# KiCad board jetson-nano-baseboard.kicad_pcb (continued)
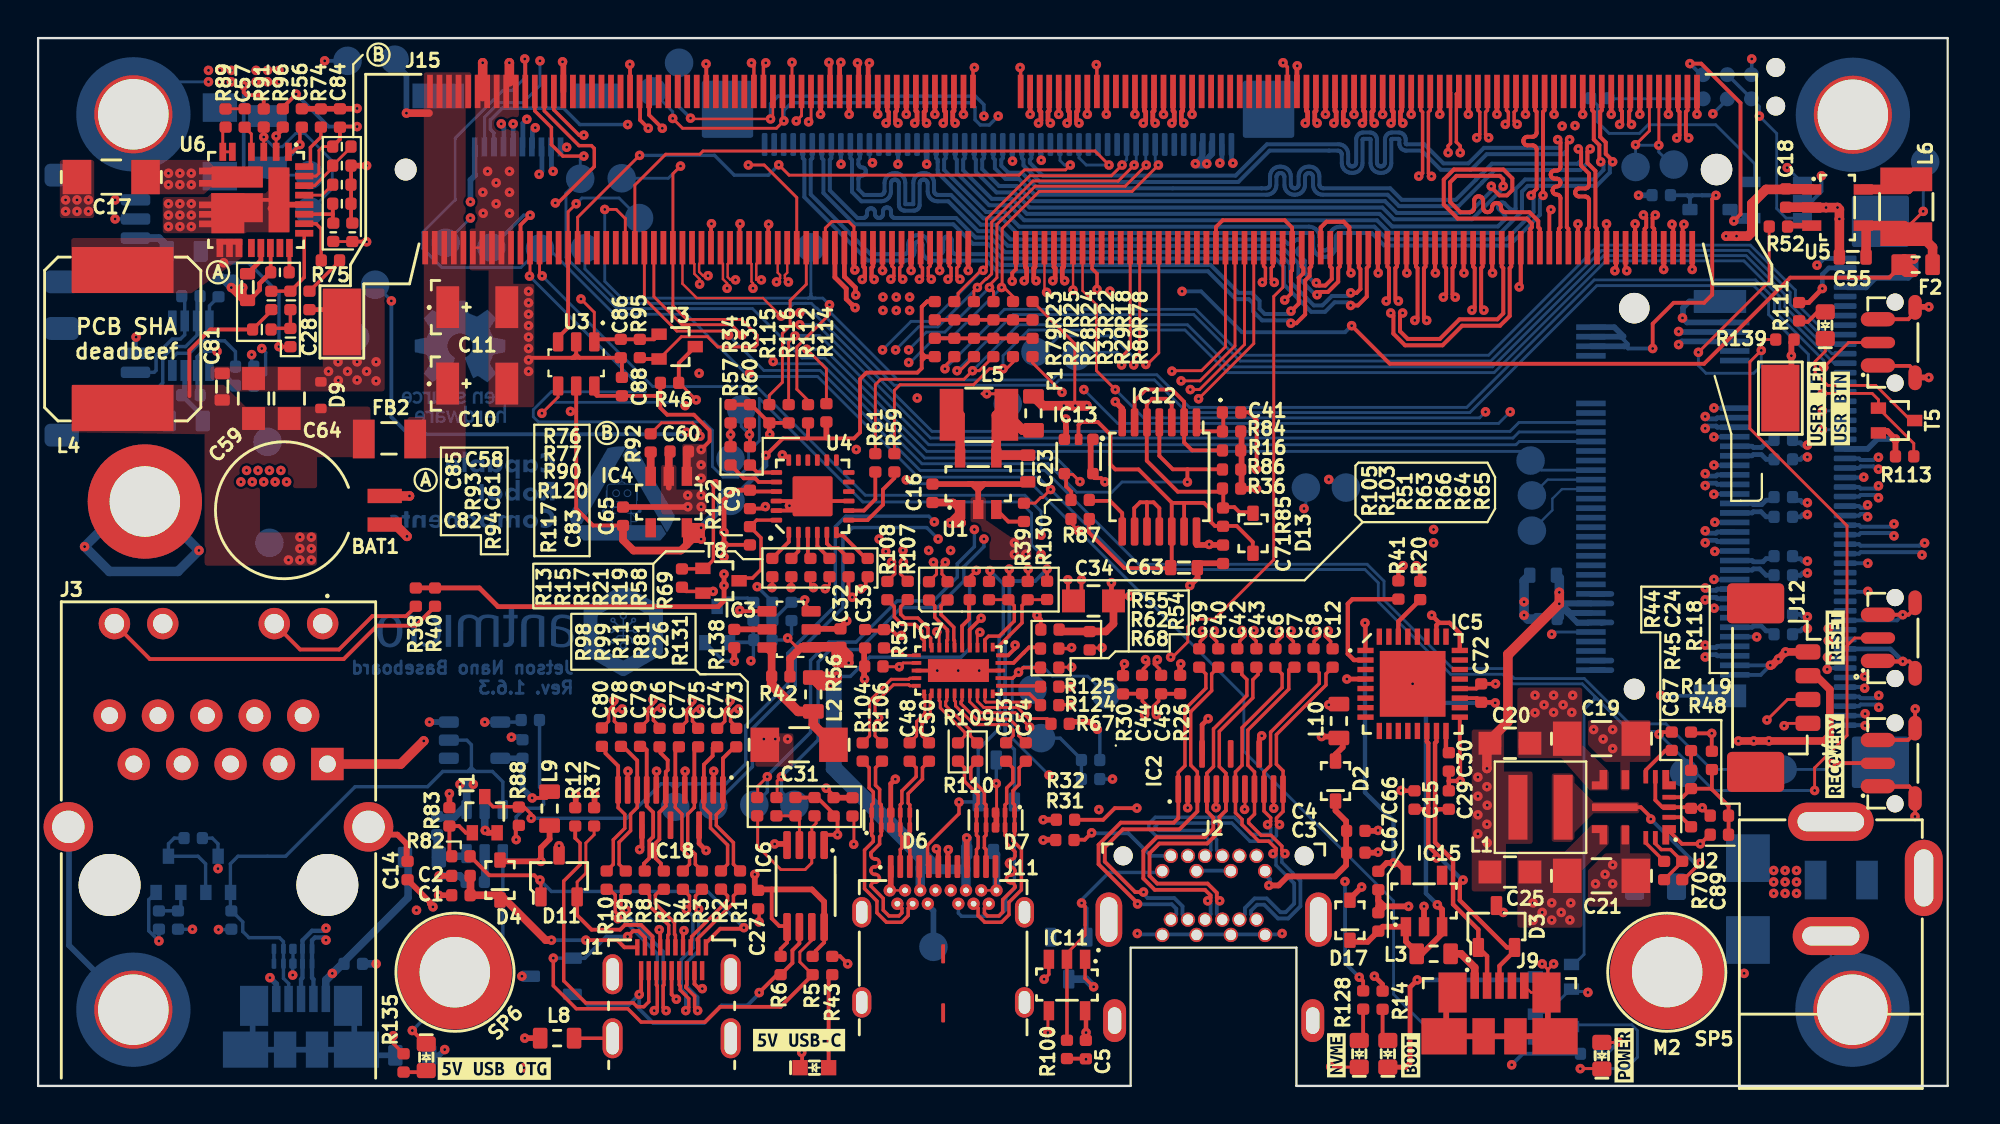
[diagram p0: board, top side]
## Placement (name value [footprint] x y rotation side) (continued)
T6  BSS138PW  [SC70-3]  6.84 11.11 90 bottom
T7  BSS138PW  [SC70-3]  35.64 24.22 90 bottom  (not fitted)
T8  BSS138PW  [SC70-3]  35.84 26.52 0 top
T9  BSS138PW  [SC70-3]  9.45 11.11 90 bottom
TP1  TP_1.5mm_SMD  [TP_SMD_1.5mm]  36.34 32.91 0 bottom
TP2  TP_1.5mm_SMD  [TP_SMD_1.5mm]  78.33 32.82 0 bottom
TP3  TP_1.5mm_SMD  [TP_SMD_1.5mm]  85.85 48.36 0 bottom
TP4  TP_1.5mm_SMD  [TP_SMD_1.5mm]  83.84 48.23 0 bottom
TP5  TP_1.5mm_SMD  [TP_SMD_1.5mm]  50.89 35.81 0 bottom
TP6  TP_1.5mm_SMD  [TP_SMD_1.5mm]  54.51 38.3 0 bottom
TP7  TP_1.5mm_SMD  [TP_SMD_1.5mm]  78.4 30.99 0 bottom
TP8  TP_1.5mm_SMD  [TP_SMD_1.5mm]  99.04 48.51 0 bottom
TP9  TP_1.5mm_SMD  [TP_SMD_1.5mm]  52.35 38.53 0 bottom
TP10  TP_1.5mm_SMD  [TP_SMD_1.5mm]  36.9 35.51 0 bottom
TP11  TP_1.5mm_SMD  [TP_SMD_1.5mm]  14.24 47.81 0 bottom
TP12  TP_1.5mm_SMD  [TP_SMD_1.5mm]  16.64 39.31 0 bottom
TP13  TP_1.5mm_SMD  [TP_SMD_1.5mm]  31.54 45.56 0 bottom
TP14  TP_1.5mm_SMD  [TP_SMD_1.5mm]  30.63 47.64 0 bottom
TP15  TP_1.5mm_SMD  [TP_SMD_1.5mm]  14.24 45.91 0 bottom
TP16  TP_1.5mm_SMD  [TP_SMD_1.5mm]  12.04 33.81 0 bottom
TP17  TP_1.5mm_SMD  [TP_SMD_1.5mm]  16.24 53.81 0 bottom
TP18  TP_1.5mm_SMD  [TP_SMD_1.5mm]  56.04 20.55 0 bottom
TP19  TP_1.5mm_SMD  [TP_SMD_1.5mm]  46.99 7.3 0 bottom
TP20  TP_1.5mm_SMD  [TP_SMD_1.5mm]  78.4 29.14 0 bottom
TP21  TP_1.5mm_SMD  [TP_SMD_1.5mm]  52.64 18.26 0 bottom
TP23  TP_1.5mm_SMD  [TP_SMD_1.5mm]  32.24 52.21 0 bottom
TP24  TP_1.5mm_SMD  [TP_SMD_1.5mm]  33.64 53.71 0 bottom
TP25  TP_1.5mm_SMD  [TP_SMD_1.5mm]  33.44 14.66 0 bottom
TP26  TP_1.5mm_SMD  [TP_SMD_1.5mm]  35.44 14.71 0 bottom
TP27  TP_1.5mm_SMD  [TP_SMD_1.5mm]  28.45 47.62 0 bottom
TP28  TP_1.5mm_SMD  [TP_SMD_1.5mm]  21.39 44.26 0 bottom
TP29  TP_1.5mm_SMD  [TP_SMD_1.5mm]  26.34 43.96 0 bottom
TP30  -  [Tag-Connect_TC2030-IDC-NL_2x3_P1.27mm]  87.39 53.08 0 bottom
TP31  TP_1.5mm_SMD  [TP_SMD_1.5mm]  23.79 44.01 0 bottom
TP32  TP_1.5mm_SMD  [TP_SMD_1.5mm]  52.19 20.81 0 bottom
TP33  TP_1.5mm_SMD  [TP_SMD_1.5mm]  37.59 14.76 0 bottom
TP34  TP_1.5mm_SMD  [TP_SMD_1.5mm]  39.69 14.76 0 bottom
TP35  TP_1.5mm_SMD  [TP_SMD_1.5mm]  28.7 43.97 0 bottom
TP36  TP_1.5mm_SMD  [TP_SMD_1.5mm]  40.56 44.02 0 bottom
TP37  TP_1.5mm_SMD  [TP_SMD_1.5mm]  86.39 16.44 0 bottom
TP38  TP_1.5mm_SMD  [TP_SMD_1.5mm]  18.72 53.87 0 bottom
TP39  TP_1.5mm_SMD  [TP_SMD_1.5mm]  91.56 16.61 0 bottom
TP40  TP_1.5mm_SMD  [TP_SMD_1.5mm]  17.69 42.06 0 bottom
TP41  TP_1.5mm_SMD  [TP_SMD_1.5mm]  12.14 28.51 0 bottom
TP42  TP_1.5mm_SMD  [TP_SMD_1.5mm]  66.54 31.41 0 bottom
TP44  TP_1.5mm_SMD  [TP_SMD_1.5mm]  68.64 31.41 0 bottom
TP47  TP_1.5mm_SMD  [TP_SMD_1.5mm]  36.34 30.71 0 bottom
U1  LM3671MF-3.3_SOT  [SOT-23-5]  49.34 31.61 90 top
U2  LM62440-Q1  [VQFN-HR-14_3.5x4mm]  83.75 14.63 180 top
U3  SN74LXC1T45DBVR  [SOT-23-6]  28.24 37.96 180 top
U4  PCA9547_VQFN  [VQFN-24-1EP_3.8x3.8x1.0mm_P0.5mm]  40.65 30.95 90 top
U5  LM3671MF-3.3_SOT  [SOT-23-5]  94.44 46.11 0 top
U6  SIC477ED-T1-GE3  [SIC47XED-T1-GE3]  11.44 46.51 270 top
U7  MAX3051EKA  [SOT-23-8]  8.02 38.85 90 bottom
U8  74LVC1G07_SOT-753  [SOT-753]  22.91 18.15 90 bottom
USER1  LED_G_0603_LG_L29K-G2J1-24-Z  [LED_0603_1608Metric_G]  93.8 39.93 90 top
USR1  -  [SW_TL3340AF160QG_SMD]  97.68 39.02 90 top

## Library data of the parts
BAT1 = -: Author: Antmicro; License: Apache-2.0; MPN: MS621FE-FL11E; Manufacturer: Seiko Instruments
BOOT1 LED1 LED2 NVME1 PWR1 USER1 = -: Author: Antmicro; License: Apache-2.0; MPN: LG L29K-G2J1-24-Z; Manufacturer: OSRAM
C1-C4 C62 = -: Author: Antmicro; License: Apache-2.0; MPN: GRM155R61A475MEAAD; Manufacturer: Murata; Val: 4u7
C5-C9 C12 C13 C26 C27 C30 C33 C36-C40 C42-C46 C48-C54 C57 C68-C80 C83 C86 C88-C90 = -: Author: Antmicro; Dielectric: X5R; License: Apache-2.0; MPN: GRM155R61H104KE14D; Manufacturer: Murata; Val: 100n; Voltage: 50V
C10 C11 = -: Author: Antmicro; License: Apache-2.0; MPN: T520B337M006ATE040; Manufacturer: KEMET; Val: 330u; Voltage: 6.3V
C14 = -: Author: Antmicro; Dielectric: C0G; License: Apache-2.0; MPN: GCM1555C1H101JA16D; Manufacturer: Murata; Val: 100p; Voltage: 50V
C15 C29 = -: Author: Antmicro; Dielectric: C0G; License: Apache-2.0; MPN: C0402C470J5GACTU; Manufacturer: KEMET; Val: 47p
C16 C18 C60 C67 = -: Author: Antmicro; License: Apache-2.0; MPN: C1005X5R1A225K050BC; Manufacturer: TDK; Val: 2u2
C17 C19 C21 C22 = -: Author: Antmicro; License: Apache-2.0; MPN: C3216X7R1H106K160AE; Manufacturer: TDK; Val: 10u; Voltage: 50V
C20 C34 C59 C64 = -: Author: Antmicro; License: Apache-2.0; MPN: C0805C476M9PACTU; Manufacturer: KEMET; Val: 47u
C23 C35 C47 C55 C63 C81 = -: Author: Antmicro; License: Apache-2.0; MPN: GRM188R61A106KE69D; Manufacturer: Murata; Val: 10u
C24 = -: Author: Antmicro; License: Apache-2.0; MPN: 0402N6R0D500CT; Manufacturer: Walsin; Val: 6p
C25 = -: Author: Antmicro; License: Apache-2.0; MPN: 160R15X106KV4E; Manufacturer: Johanson Technology; Val: 10u
C28 = -: Author: Antmicro; License: Apache-2.0; MPN: C0402C271J3GAC7867; Manufacturer: KEMET; Val: 270p; Voltage: 25V
C31 = -: Author: Antmicro; License: Apache-2.0; MPN: GRM31CR60J107MEA8K; Manufacturer: Murata; Val: 100u
C32 = -: Author: Antmicro; License: Apache-2.0; MPN: CC0402MRX5R5BB106; Manufacturer: YAGEO; Val: 10u
C41 = -: Author: Antmicro; License: Apache-2.0; MPN: GRM155R61H474KE11D; Manufacturer: Murata; Val: 47n
C56 = -: Author: Antmicro; License: Apache-2.0; MPN: GRM155R71H104KE14D; Manufacturer: Murata; Val: 100n; Voltage: 50V
C58 = -: Author: Antmicro; License: Apache-2.0; MPN: GCM155R71E333KA55D; Manufacturer: Murata; Val: 33n
C61 C82 = -: Author: Antmicro; License: Apache-2.0; MPN: GCM155R71H122KA37D; Manufacturer: Murata; Val: 1n2; Voltage: 50V
C65 C66 C84 C87 = -: Author: Antmicro; License: Apache-2.0; MPN: C1005X6S1A105K050BC; Manufacturer: TDK; Val: 1u
C85 = -: Author: Antmicro; License: Apache-2.0; MPN: C1608X5R1V475M080AC; Manufacturer: TDK; Val: 4u7
D1 D9 = -: Author: Antmicro; License: Apache-2.0; MPN: ESD5B5.0ST1G; Manufacturer: ON Semiconductor
D2 D4 D13 D15 D17 = -: Description: Small Signal Fast Switching Diode; Author: Antmicro; License: Apache-2.0; Manufacturer: ON Semiconductor
D3 D5 D10-D12 = -: Author: Antmicro; License: Apache-2.0; Manufacturer: Nexperia
D6-D8 = -: Description: Low-Capacitance 4-Channel ESD-Protection for High-Speed Data Interfaces USON-10; Author: Antmicro; License: Apache-2.0; Manufacturer: Texas Instruments
D14 = -: Description: 33V ESD ESD Suppressors / TVS Diodes 600W; Author: Antmicro; License: Apache-2.0; Manufacturer: Littelfuse
F1 F2 F4 F5 = -: Description: 1.25 A 65 V DC Fuse 0603; Author: Antmicro; License: Apache-2.0; MPN: 04671.25NR; Manufacturer: Littelfuse
F3 = -: Description: Surface Mount Fuses UST 1206 FUSE 12A; Author: Antmicro; License: Apache-2.0; MPN: 3413.0329.22; Manufacturer: Schurter
FB1 FB2 = -: Description: Ferrite Beads WE-MPSB 1206 100MHz 10Ohm 10.5A AECQ2; Author: Antmicro; License: Apache-2.0; MPN: 74279221100; Manufacturer: Würth Elektronik
FB3 = -: Description: Ferrite Beads WE-TMSB Suppression 240Ohm 200mA; Author: Antmicro; License: Apache-2.0; MPN: 74279220181; Manufacturer: Würth Elektronik
IC1 IC3 = -: Description: Adjustable Current‐Limiting Power‐Distribution Switch; Author: Antmicro; License: Apache-2.0; Manufacturer: ON Semiconductor
IC2 IC11 IC18 U3 = -: Author: Antmicro; License: Apache-2.0; Manufacturer: Texas Instruments
IC4 IC15 = -: Author: Antmicro; License: Apache-2.0; MPN: TPS7A0518PDBVT; Manufacturer: Texas Instruments
IC5 = -: Author: Antmicro; License: Apache-2.0; MPN: FT232RQ-REEL; Manufacturer: FTDI Chip; PartNumber: FT232RQ
IC6 = -: Description: Level translating I2C-bus repeater; Author: Antmicro; License: Apache-2.0; Manufacturer: NXP
IC7 = -: Description: USB Type-C DRP Port Controller with SuperSpeed 2:1 MUX; Author: Antmicro; License: Apache-2.0; MPN: HD3SS3220RNHT; Manufacturer: Texas Instruments
IC12 = -: Description: Quad 2-input NAND gate; Author: Antmicro; License: Apache-2.0; MPN: 74HC00PW,118; Manufacturer: Nexperia
IC13 = -: Description: Single 1.65-V to 5.5-V buffer with 3-state outputs; Author: Antmicro; License: Apache-2.0; MPN: SN74LVC1G126DCKR; Manufacturer: Texas Instruments
IC17 = -: Description: SOT-23-5; Author: Antmicro; License: Apache-2.0; MPN: AT24CS01-ST; Manufacturer: Atmel
J1 = -: Description: Micro HDMI Connector, Right-Angle Receptacle; Author: Antmicro; License: Apache-2.0; MPN: 467651001; Manufacturer: Molex
J2 = -: Author: Antmicro; License: Apache-2.0; MPN: 2129320-3; Manufacturer: TE Connectivity
J3 = -: Description: Modular connector with magnetics; Author: Antmicro; License: Apache-2.0; MPN: SI-51005-F; Manufacturer: Bel Fuse
J4 = -: Description: DC Power Connector, Jack, 4 A, 1.95 mm, PCB Mount, Through Hole; Author: Antmicro; License: Apache-2.0; MPN: MJ-179PH; Manufacturer: Multicomp Pro
J5 J9 = -: Author: Antmicro; License: Apache-2.0; MPN: 473460001; Manufacturer: Molex
J6 = -: Description: FFC connector; Author: Antmicro; License: Apache-2.0; MPN: 68715014522; Manufacturer: Würth Elektronik; VSD_Class: Antmicro Dual Camera interface
J7 = -: Description: FFC connector; Author: Antmicro; License: Apache-2.0; MPN: 68715014022; Manufacturer: Würth Elektronik
J8 = -: Description: PCI Express / PCI Connectors M.2 RA M Key 5.80H; Author: Antmicro; License: Apache-2.0; MPN: MDT580M01001; Manufacturer: Amphenol
J10 = -: Author: Antmicro; License: Apache-2.0; MPN: 5051101097; Manufacturer: Molex
J11 = -: Author: Antmicro; License: Apache-2.0; MPN: 632723300011; Manufacturer: Würth Elektronik
J12 = -: Description: Connector Header Surface Mount 4 position 0.049" (1.25mm); Author: Antmicro; License: Apache-2.0; MPN: 0533980471; Manufacturer: Molex
J13 J14 = -: Description: Connector Header Surface Mount Horizontal 4 position 0.039" (1.00mm); Author: Antmicro; License: Apache-2.0; MPN: SM04B-SRSS-TB(LF)(SN); Manufacturer: JST Automotive Connectors
J15 = -: Description: SoM connector; Author: Antmicro; License: Apache-2.0; MPN: 2309413-1; Manufacturer: TE Connectivity; PartSymbol: 2309413-1
L1 = -: Author: Antmicro; Imax: 8A; Isat: 3.7A; License: Apache-2.0; MPN: XFL4020-222MEC; Manufacturer: Coilcraft; MaxCur: 6A; Size: 4.0x4.0; Val: 2u2/8A
L2 L3 L7-L11 = -: Author: Antmicro; License: Apache-2.0; MPN: BLM18SG121TN1D; Manufacturer: Murata
L4 = -: Author: Antmicro; IMax: 9.2 A; ISat: 20 A; License: Apache-2.0; MPN: IHLP3232DZER3R3M01; Manufacturer: Vishay; MaxCur: 9.2A; Size: 8.64x8.18; Val: 3u3/9.2A
L5 L6 = -: Author: Antmicro; IMax: 1.6 A; License: Apache-2.0; MPN: LQH32PN2R2NN0L; Manufacturer: Murata; Size: 3.2x2.5; Val: 2u2/1.6A
M2 = -: Author: Antmicro; License: Apache-2.0; MPN: 945-13541-0000-0000; Manufacturer: Nvidia
N1-N3 = -: Author: Antmicro; License: Apache-2.0
R1-R4 R7-R10 = -: Description: 5R6 resistor in 0402 package with 1% tolerance; Author: Antmicro; License: Apache-2.0; MPN: CR0402-FX-5R60GLF; Manufacturer: Bourns; Tolerance: 1%; Val: 5R6
R5 R6 R11 R18 R22 R24 R25 R27-R29 R33-R35 R37 R55 R73 R74 R81 R83 R88 = -: Description: 2k resistor in 0402 package with 1% tolerance; Author: Antmicro; License: Apache-2.0; MPN: CR0402-FX-2001GLF; Manufacturer: Bourns; Tolerance: 1%; Val: 2k
R12 R13 R15 R17 R19 R21 R42 R48 R49 R56-R66 R68 R71 R76 R78-R80 R82 R92 R93 R98 R99 R101 R103-R110 R121 R124-R127 R129 R130 R132 R136 = -: Description: 0R resistor in 0402 package with unspecified tolerance; Author: Antmicro; Current: 1A; License: Apache-2.0; MPN: ERJ2GE0R00X; Manufacturer: Panasonic; Val: 0R
R14 R43 R97 R111 R135 = -: Description: 470R resistor in 0402 package with 1% tolerance; Author: Antmicro; License: Apache-2.0; MPN: CR0402-FX-4700GLF; Manufacturer: Bourns; Tolerance: 1%; Val: 470R
R16 R36 R45 R87 = -: Description: 1k resistor in 0402 package with 1% tolerance; Author: Antmicro; License: Apache-2.0; MPN: CR0402-FX-1001GLF; Manufacturer: Bourns; Tolerance: 1%; Val: 1k
R20 R41 = -: Description: 22R resistor in 0402 package with 1% tolerance; Author: Antmicro; License: Apache-2.0; MPN: CR0402-FX-22R0GLF; Manufacturer: Bourns; Tolerance: 1%; Val: 22R
R23 = -: Author: Antmicro; Current: 1A; License: Apache-2.0; MPN: ERJ2GE0R00X; Manufacturer: Panasonic; Val: 0R
R26 R30 R47 R69 R91 R96 R100 R102 R112 R113 R118 R139 = -: Description: 100k resistor in 0402 package with 1% tolerance; Author: Antmicro; License: Apache-2.0; MPN: CR0402-FX-1003GLF; Manufacturer: Bourns; Tolerance: 1%; Val: 100k
R31 R32 = -: Description: 1M resistor in 0402 package with 1% tolerance; Author: Antmicro; License: Apache-2.0; MPN: CR0402-FX-1004GLF; Manufacturer: Bourns; Tolerance: 1%; Val: 1M
R38 R40 R128 = -: Description: 220R resistor in 0402 package with 1% tolerance; Author: Antmicro; License: Apache-2.0; MPN: CR0402-FX-2200GLF; Manufacturer: Bourns; Tolerance: 1%; Val: 220R
R39 R44 R46 R50 R52 R54 R72 R95 R114-R116 R120 R122 R131 R133 R134 R137 R138 = -: Description: 10k resistor in 0402 package with 1% tolerance; Author: Antmicro; License: Apache-2.0; MPN: CR0402-FX-1002GLF; Manufacturer: Bourns; Tolerance: 1%; Val: 10k
R51 = -: Description: 909k resistor in 0402 package with 1% tolerance; Author: Antmicro; License: Apache-2.0; MPN: CR0402-FX-9093GLF; Manufacturer: Bourns; Tolerance: 1%; Val: 909k
R53 R67 R84 R86 = -: Description: 200k resistor in 0402 package with 1% tolerance; Author: Antmicro; License: Apache-2.0; MPN: CR0402-FX-2003GLF; Manufacturer: Bourns; Tolerance: 1%; Val: 200k
R70 = -: Description: 100R resistor in 0402 package with 1% tolerance; Author: Antmicro; License: Apache-2.0; MPN: CR0402-FX-1000GLF; Manufacturer: Bourns; Tolerance: 1%; Val: 100R
R75 = -: Description: 316k resistor in 0402 package with 1% tolerance; Author: Antmicro; License: Apache-2.0; MPN: CR0402-FX-3163GLF; Manufacturer: Bourns; Tolerance: 1%; Val: 316k
R77 = -: Description: 60k4 resistor in 0402 package with 1% tolerance; Author: Antmicro; License: Apache-2.0; MPN: CR0402-FX-6042GLF; Manufacturer: Bourns; Tolerance: 1%; Val: 60k4
R85 = -: Description: 470k resistor in 0402 package with 1% tolerance; Author: Antmicro; License: Apache-2.0; MPN: CR0402-FX-4703GLF; Manufacturer: Bourns; Tolerance: 1%; Val: 470k
R89 = -: Description: 3R3 resistor in 0402 package with 1% tolerance; Author: Antmicro; License: Apache-2.0; MPN: CR0402-FX-3R30GLF; Manufacturer: Bourns; Tolerance: 1%; Val: 3R3
R90 = -: Description: 26k7 resistor in 0402 package with 1% tolerance; Author: Antmicro; License: Apache-2.0; MPN: CR0402-FX-2672GLF; Manufacturer: Bourns; Tolerance: 1%; Val: 26k7
R94 = -: Description: 8k66 resistor in 0402 package with 1% tolerance; Author: Antmicro; License: Apache-2.0; MPN: CR0402-FX-8661GLF; Manufacturer: Bourns; Tolerance: 1%; Val: 8k66
R117 = -: Description: 52k3 resistor in 0402 package with 1% tolerance; Author: Antmicro; License: Apache-2.0; MPN: CR0402-FX-5232GLF; Manufacturer: Bourns; Tolerance: 1%; Val: 52k3
R119 = -: Description: 44k2 resistor in 0402 package with 1% tolerance; Author: Antmicro; License: Apache-2.0; MPN: CR0402-FX-4422GLF; Manufacturer: Bourns; Tolerance: 1%; Val: 44k2
R123 = -: Description: 120R resistor in 0402 package with 1% tolerance; Author: Antmicro; License: Apache-2.0; MPN: CR0402-FX-1200GLF; Manufacturer: Bourns; Tolerance: 1%; Val: 120R
REC1 RST1 USR1 = -: Author: Antmicro; License: Apache-2.0; MPN: TL3340AF160QG; Manufacturer: E-Switch
SP1-SP6 = -: Description: Spacer, SMT, Non Stop, Steel, Swage Round, 5.1 mm x 6 mm, M2.5 Thread, WA-SMSI Series; Author: Antmicro; License: Apache-2.0; MPN: 9774060151R; Manufacturer: Würth Elektronik
SP7 = -: Author: Antmicro; License: Apache-2.0; MPN: 9774040151R; Manufacturer: Würth Elektronik
T1-T9 = -: Description: 60 V, 320 mA N-channel enhancement mode Trench MOSFET, SC-70-3 aka SOT-323 package; Author: Antmicro; License: Apache-2.0; Manufacturer: Nexperia
TP1-TP21 TP23-TP29 TP31-TP42 TP44 TP47 = -: Description: Testpoint 1.5mm; Author: Antmicro; License: Apache-2.0
TP30 = -: Description: Tag Connect 2x3 1.27mm terminal; Author: Antmicro; License: Apache-2.0; MPN: TC2030-IDC-NL; Manufacturer: Tag Connect
U1 U5 = -: Description: 3MHz switching bucK regulator, 600mA 3.3V output voltage; Author: Antmicro; License: Apache-2.0; MPN: LM3671MF-3.3/NOPB; Manufacturer: Texas Instruments; ki_fp_filters: TSOT?23*
U2 = -: Description: Switching Voltage Regulators Automotive 3-V to 36-V, 4-A, low-noise fixed frequency synchronous step-down converter VQFN-14-HR; Author: Antmicro; License: Apache-2.0; MPN: LMQ62440BPPQRJRRQ1; Manufacturer: Texas Instruments
U4 = -: Description: Encoders, Decoders, Multiplexers & Demultiplexers 8-CH I2C MUX W/RESET; Author: Antmicro; License: Apache-2.0; MPN: PCA9547BS,118; Manufacturer: NXP
U6 = -: Author: Antmicro; License: Apache-2.0; Manufacturer: Vishay
U7 = -: Description: CAN Interface IC +3.3V, 1Mbps, Low-Supply-Current CAN Transceiver; Author: Antmicro; License: Apache-2.0; Manufacturer: Maxim Integrated Products
U8 = -: Description: Buffers & Line Drivers Single 1.65-V to 5.5-V buffer with open-drain output SOT-753; Author: Antmicro; License: Apache-2.0; MPN: 74LVC1G07GV,125; Manufacturer: Nexperia

## Footprints (pads in the part's own frame, mm; a bottom-side part is the same pattern mirrored in y, then rotated)
BarrelJack_Pin2mm_MJ-179PH
  oval 2x4.5 hole 1x3.5: 1(0,0)
  oval 4x1.99 hole 3x1: 2(2.948,4.879)
  oval 2x4 hole 1x3: 3(5.999,0)
Bus_M.2_Socket_Key_M_Amphenol_MDT580M01001
  round 1.1 hole 1.1 unplated: (-10,-1.425)
  round 1.6 hole 1.6 unplated: (9.999,-1.425)
  rect 0.3x1.55 smd: 1(-9.25,3.848) 2(-9,-3.7) 3(-8.75,3.848) 4(-8.5,-3.7) 5(-8.25,3.848) 6(-8,-3.7) 7(-7.75,3.848) 8(-7.5,-3.7) 9(-7.25,3.848) 10(-7,-3.7) 11(-6.75,3.848) 12(-6.5,-3.7) 13(-6.25,3.848) 14(-6,-3.7) 15(-5.75,3.848) 16(-5.5,-3.7) 17(-5.25,3.848) 18(-5,-3.7) 19(-4.75,3.848) 20(-4.5,-3.7) 21(-4.25,3.848) 22(-4,-3.7) 23(-3.75,3.848) 24(-3.5,-3.7) 25(-3.25,3.848) 26(-3,-3.7) 27(-2.75,3.848) 28(-2.5,-3.7) 29(-2.25,3.848) 30(-2,-3.7) 31(-1.75,3.848) 32(-1.5,-3.7) 33(-1.25,3.848) 34(-1,-3.7) 35(-0.75,3.848) 36(-0.5,-3.7) 37(-0.25,3.848) 38(0,-3.7) 39(0.246,3.848) 40(0.496,-3.7) 41(0.747,3.848) 42(0.996,-3.7) 43(1.249,3.848) 44(1.499,-3.7) 45(1.749,3.848) 46(1.999,-3.7) 47(2.249,3.848) 48(2.499,-3.7) 49(2.749,3.848) 50(2.999,-3.7) 51(3.249,3.848) 52(3.499,-3.7) 53(3.749,3.848) 54(3.999,-3.7) 55(4.248,3.848) 56(4.498,-3.7) 57(4.748,3.848) 58(4.998,-3.7) 67(7.249,3.848) 68(7.498,-3.7) 69(7.748,3.848) 70(7.998,-3.7) 71(8.249,3.848) 72(8.499,-3.7) 73(8.749,3.848) 74(8.999,-3.7) 75(9.249,3.848)
  rect 1.2x2.75 smd: SH1(-10.35,3.073) SH2(10.348,3.073)
C_0402_1005Metric
  rrect 0.59x0.64 smd: 1(-0.484,0) 2(0.484,0)
C_0603_1608Metric
  rrect 0.6x0.8 smd: 1(-0.7,0) 2(0.7,0)
C_0805_2012Metric
  rect 1.2x1.2 smd: 1(-1.05,0) 2(1.05,0)
C_1206_3216Metric
  rect 1.5x1.8 smd: 1(-1.8,0) 2(1.8,0)
C_Pol_EIA-B
  rect 1.2x2.2 smd: 1(-1.551,0) 2(1.55,0)
Conn_FFC_Molex_5051101097
  rect 0.3x1 smd: 1(-2.242,2.572) 2(-1.742,2.572) 3(-1.242,2.572) 4(-0.742,2.572) 5(-0.242,2.572) 6(0.256,2.572) 7(0.754,2.572) 8(1.257,2.572) 9(1.757,2.572) 10(2.257,2.572)
  rect 2.7x1.3 smd: MP1(-4.167,-0.104) MP2(4.11,-0.104)
Conn_FFC_WE_68715014x22
  rrect 0.3x1.2 smd: 1(-12.25,2.15) 2(-11.75,2.15) 3(-11.25,2.15) 4(-10.75,2.15) 5(-10.25,2.15) 6(-9.75,2.15) 7(-9.25,2.15) 8(-8.75,2.15) 9(-8.25,2.15) 10(-7.75,2.15) 11(-7.25,2.15) 12(-6.75,2.15) 13(-6.25,2.15) 14(-5.75,2.15) 15(-5.25,2.15) 16(-4.75,2.15) 17(-4.25,2.15) 18(-3.75,2.15) 19(-3.25,2.15) 20(-2.75,2.15) 21(-2.25,2.15) 22(-1.75,2.15) 23(-1.25,2.15) 24(-0.75,2.15) 25(-0.25,2.15) 26(0.248,2.15) 27(0.748,2.15) 28(1.249,2.15) 29(1.749,2.15) 30(2.249,2.15) 31(2.749,2.15) 32(3.249,2.15) 33(3.749,2.15) 34(4.248,2.15) 35(4.748,2.15) 36(5.248,2.15) 37(5.749,2.15) 38(6.249,2.15) 39(6.749,2.15) 40(7.249,2.15) 41(7.749,2.15) 42(8.249,2.15) 43(8.749,2.15) 44(9.249,2.15) 45(9.749,2.15) 46(10.249,2.15) 47(10.749,2.15) 48(11.249,2.15) 49(11.749,2.15) 50(12.249,2.15)
  rrect 2.7x3 smd: MP1(-14.198,0.3) MP2(14.198,0.3)
Conn_JST_SH_1x4_SM04B-SRSS-TB-LF-SN
  rrect 0.6x1.55 smd: 1(-1.5,2.12) 2(-0.5,2.12) 3(0.5,2.12) 4(1.5,2.12)
  rrect 1.2x1.8 smd: MP(-2.8,-1.755) MP(2.8,-1.755)
Conn_Molex_PicoBlade_1x4_0533980471
  rrect 0.8x1.3 smd: 1(-1.875,1.75) 2(-0.625,1.75) 3(0.623,1.75) 4(1.874,1.75)
  rrect 2.1x3 smd: MP1(-4.425,-0.998) MP2(4.424,-0.998)
D_SMB
  rect 2.5x2.3 smd: 1(-2.15,0) 2(2.148,0)
D_SOD-323F
  rrect 0.8x0.6 smd: 1(-1.051,-0.001) 2(1.05,-0.001)
DisplayPort-Mini_Receptacle_TE_2129320-3
  round 1 hole 1 unplated: (-2.05,4.151) (7.45,4.151)
  round 0.75 hole 0.55: 1(0,0) 2(0,3.351) 3(0.45,0.804) 4(0.45,4.151) 5(1.35,0.804) 6(1.35,4.151) 7(1.8,0) 8(1.8,3.351) 9(2.249,0.804) 10(2.249,4.151) 11(3.148,0.804) 12(3.148,4.151) 13(3.6,0) 14(3.6,3.351) 15(4.049,0.804) 16(4.049,4.151) 17(4.95,0.804) 18(4.95,4.151) 19(5.4,0) 20(5.4,3.351)
  oval 1.4x2.85 hole 0.9x2.35: SH(-2.802,0.804) SH(8.198,0.804)
  oval 1.2x2.25 hole 0.7x1.4: SH(-2.5,-4.498) SH(7.9,-4.498)
F_0603_1608Metric
  rrect 0.762x1.09 smd: 1(-0.891,0) 2(0.888,0)
F_1206_3216Metric
  rect 1.143x2.032 smd: 1(-1.35,0) 2(1.35,0)
FB_0603_1608Metric
  rrect 0.762x1.09 smd: 1(-0.891,0) 2(0.888,0)
FB_0805_2012Metric
  rrect 1x1.4 smd: 1(-1.1,0.001) 2(1.1,0.001)
FB_1206_3216Metric
  rect 1.143x2.032 smd: 1(-1.35,0) 2(1.35,0)
HDMI-Micro-D_Receptacle_Molex_467651001
  rect 0.23x0.85 smd: 1(1.8,3.476) 3(1.398,3.476) 5(0.998,3.476) 7(0.598,3.476) 9(0.2,3.476) 11(-0.202,3.476) 13(-0.6,3.476) 15(-1,3.476) 17(-1.401,3.476) 19(-1.801,3.476)
  rect 0.23x1 smd: 2(1.6,2.25) 4(1.199,2.25) 6(0.8,2.25) 8(0.4,2.25) 10(0,2.25) 12(-0.402,2.25) 14(-0.802,2.25) 16(-1.2,2.25) 18(-1.601,2.25)
  oval 1.05x2.1 hole 0.65x1.7: SH(-3.101,2.061) SH(-3.101,-1.3) SH(3.1,2.061) SH(3.1,-1.3)
L_1210_3225Metric
  rect 1.24x2.72 smd: 1(-1.439,0) 2(1.439,0)
L_Coilcraft-XFL4020
  rect 1x3.4 smd: 1(-1.185,0) 2(1.185,0)
L_Vishay-IHLP3232DZ
  rect 2.413x5.335 smd: 1(-3.621,0) 2(3.619,0)
LED_0603_1608Metric_G
  rrect 0.8x1 smd: 1(-0.7,0) 2(0.7,0)
LED_0603_1608Metric_G#2
  rect 0.8x0.8 smd: 1(-0.75,0) 2(0.75,0)
MS621FE-FL11E
  rect 0.75x1.8 smd: 1(-0.75,4.05) 2(0.75,4.05)
QFN-32-1EP_5x5mm
  rect 0.85x0.28 smd: 1(-2.496,1.702) 2(-2.496,1.2) 3(-2.496,0.702) 4(-2.496,0.202) 5(-2.496,-0.297) 6(-2.496,-0.8) 7(-2.496,-1.3) 8(-2.496,-1.8) 17(2.455,-1.8) 18(2.455,-1.3) 19(2.455,-0.8) 20(2.455,-0.297) 21(2.455,0.202) 22(2.455,0.702) 23(2.455,1.2) 24(2.455,1.702)
  rect 0.28x0.85 smd: 9(-1.77,-2.523) 10(-1.27,-2.523) 11(-0.773,-2.523) 12(-0.273,-2.523) 13(0.229,-2.523) 14(0.727,-2.523) 15(1.229,-2.523) 16(1.729,-2.523) 25(1.729,2.427) 26(1.229,2.427) 27(0.727,2.427) 28(0.229,2.427) 29(-0.273,2.427) 30(-0.773,2.427) 31(-1.27,2.427) 32(-1.77,2.427)
  rect 3.45x3.45 smd: 33(-0.022,-0.049)
R-PDSO-N15
  rrect 1.45x0.3 smd: 1(-0.95,2.75) 2(-0.95,2.25) 3(-0.95,1.75) 4(-0.95,1.25) 5(-0.95,0.75) 6(-0.95,0.25) 7(-0.95,-0.247) 8(-0.95,-0.747) 9(-0.95,-1.249) 10(-0.95,-1.749) 11(-0.95,-2.249) 12(-0.95,-2.749) 13(0.901,-1.499) 14(0.901,0) 15(0.901,1.5)
R_0402_1005Metric
  rrect 0.59x0.64 smd: 1(-0.48,0) 2(0.48,0)
RJ45_Bel_SI-51005-F
  round 3.25 hole 3.25 unplated: (-11.43,-6.349) (0,-6.349)
  rect 1.7x1.7 hole 0.89: 1(0,0)
  round 1.7 hole 0.89: 2(-1.27,2.54) 3(-2.54,0) 4(-3.81,2.54) 5(-5.08,0) 6(-6.351,2.54) 7(-7.62,0) 8(-8.891,2.54) 9(-10.16,0) 10(-11.43,2.54)
  round 1.65 hole 1.02: 11(-0.246,7.37) 12(-2.786,7.37) 13(-8.638,7.37) 14(-11.176,7.37)
  round 2.6 hole 1.7: S(-13.594,-3.298) S(2.161,-3.298)
SC70-3
  rect 0.8x0.6 smd: 1(-0.95,0.65) 2(-0.95,-0.65) 3(0.95,0)
SC-70-5
  rrect 0.6x0.6 smd: 1(-0.756,-0.893) 3(0.743,-0.893) 4(0.743,0.907) 5(-0.756,0.907)
  rrect 0.4x0.6 smd: 2(-0.006,-0.893)
SIC47XED-T1-GE3
  rect 0.95x0.35 smd: 1(-2.525,1.7) 2(-2.525,1.051) 3(-2.525,0.403) 4(-2.525,-0.247) 5(-2.525,-1.249) 6(-2.525,-1.749) 12(2.523,-1.898) 13(2.523,-1.398) 14(2.523,-0.9) 15(2.523,-0.247) 16(2.523,0.25) 17(2.523,0.75) 18(2.523,1.25) 19(2.523,1.75)
  rect 0.35x0.95 smd: 7(-1.52,-2.523) 8(-0.87,-2.523) 9(0.26,-2.523) 10(0.757,-2.523) 11(1.259,-2.523) 20(1.749,2.525) 21(1.249,2.525) 22(0.747,2.525) 23(0.247,2.525) 24(-0.25,2.525) 25(-0.75,2.525) 26(-1.25,2.525) 27(-1.75,2.525)
  rect 1.1x2.7 smd: 7(-1.2,-0.997)
  rect 1.52x2.7 smd: 9(0.409,-0.997)
  rect 2.1x1.73 smd: 9(0.699,-1.485)
  rect 0.3x1.35 smd: 14(2.2,-1.398)
  rect 3.4x1.1 smd: 28(0,1.2)
SOD-523_NP
  rrect 0.5x0.6 smd: 1(-0.701,0) 2(0.699,0)
SOT-23-3
  rrect 1x0.6 smd: 1(-1.1,0.951) 2(-1.1,-0.949) 3(1.1,0.001)
SOT-23-5
  rect 1x0.55 smd: 1(-1.351,0.951) 2(-1.351,0) 3(-1.351,-0.949) 4(1.35,-0.949) 5(1.35,0.951)
SOT-23-6
  rrect 0.55x1 smd: 1(-0.954,-1.1) 2(-0.003,-1.1) 3(0.947,-1.1) 4(0.947,1.214) 5(-0.003,1.214) 6(-0.954,1.214)
SOT-23-8
  rect 1.1x0.45 smd: 1(-1.301,0.975) 2(-1.301,0.327) 3(-1.301,-0.325) 4(-1.301,-0.973) 5(1.3,-0.973) 6(1.3,-0.325) 7(1.3,0.327) 8(1.3,0.975)
SOT-753
  rrect 0.6x1.05 smd: 1(-0.951,-1.35) 2(0,-1.35) 3(0.949,-1.35) 4(0.949,1.351) 5(-0.951,1.351)
Spacer_Drill3.7mm_H4mm_9774040151R
  round 6 hole 3.7: 1(0,0)
Spacer_Drill3.7mm_H6mm_9774060151R
  round 4.1 hole 3.7: 1(-0.001,0)
  round 6 smd: 1(0,0)
SW_TL3340AF160QG_SMD
  round 0.9 hole 0.9 unplated: (-2.125,0.218) (2.124,0.218)
  oval 0.75x1.8 smd: 1(-1.2,1.119) 3(1.223,1.119)
  oval 0.6x1.8 smd: 2(0,1.119)
  oval 1.3x0.7 smd: SH(-1.851,-0.832) SH(1.848,-0.832)
Tag-Connect_TC2030-IDC-NL_2x3_P1.27mm
  round 0.991 hole 0.991 unplated: (3.809,-0.377) (3.809,1.651)
  round 0.787 smd: 1(0,0) 2(0,1.27) 3(1.267,0) 4(1.267,1.27) 5(2.536,0) 6(2.536,1.27)
TE_2309413
  round 1.15 hole 1.15 unplated: (-34.406,7.926)
  round 1.65 hole 1.65 unplated: (34.395,7.926)
  rect 0.3x1.75 smd: 1(33.369,12.026) 2(33.119,3.826) 3(32.869,12.026) 4(32.619,3.826) 5(32.369,12.026) 6(32.119,3.826) 7(31.87,12.026) 8(31.62,3.826) 9(31.37,12.026) 10(31.12,3.826) 11(30.87,12.026) 12(30.62,3.826) 13(30.37,12.026) 14(30.12,3.826) 15(29.87,12.026) 16(29.62,3.826) 17(29.37,12.026) 18(29.12,3.826) 19(28.87,12.026) 20(28.62,3.826) 21(28.37,12.026) 22(28.12,3.826) 23(27.87,12.026) 24(27.62,3.826) 25(27.37,12.026) 26(27.12,3.826) 27(26.87,12.026) 28(26.62,3.826) 29(26.37,12.026) 30(26.12,3.826) 31(25.87,12.026) 32(25.62,3.826) 33(25.37,12.026) 34(25.12,3.826) 35(24.87,12.026) 36(24.62,3.826) 37(24.37,12.026) 38(24.12,3.826) 39(23.87,12.026) 40(23.62,3.826) 41(23.37,12.026) 42(23.12,3.826) 43(22.87,12.026) 44(22.62,3.826) 45(22.37,12.026) 46(22.12,3.826) 47(21.87,12.026) 48(21.62,3.826) 49(21.37,12.026) 50(21.12,3.826) 51(20.87,12.026) 52(20.62,3.826) 53(20.37,12.026) 54(20.12,3.826) 55(19.87,12.026) 56(19.62,3.826) 57(19.37,12.026) 58(19.12,3.826) 59(18.87,12.026) 60(18.62,3.826) 61(18.37,12.026) 62(18.12,3.826) 63(17.87,12.026) 64(17.62,3.826) 65(17.37,12.026) 66(17.12,3.826) 67(16.87,12.026) 68(16.62,3.826) 69(16.37,12.026) 70(16.12,3.826) 71(15.87,12.026) 72(15.62,3.826) 73(15.37,12.026) 74(15.12,3.826) 75(14.87,12.026) 76(14.62,3.826) 77(14.37,12.026) 78(14.12,3.826) 79(13.87,12.026) 80(13.62,3.826) 81(13.37,12.026) 82(13.12,3.826) 83(12.87,12.026) 84(12.62,3.826) 85(12.37,12.026) 86(12.12,3.826) 87(11.87,12.026) 88(11.62,3.826) 89(11.37,12.026) 90(11.12,3.826) 91(10.87,12.026) 92(10.62,3.826) 93(10.37,12.026) 94(10.12,3.826) 95(9.87,12.026) 96(9.62,3.826) 97(9.37,12.026) 98(9.12,3.826) 99(8.87,12.026) 100(8.62,3.826) 101(8.37,12.026) 102(8.12,3.826) 103(7.869,12.026) 104(7.619,3.826) 105(7.369,12.026) 106(7.119,3.826) 107(6.869,12.026) 108(6.619,3.826) 109(6.369,12.026) 110(6.119,3.826) 111(5.869,12.026) 112(5.619,3.826) 113(5.369,12.026) 114(5.12,3.826) 115(4.87,12.026) 116(4.62,3.826) 117(4.37,12.026) 118(4.12,3.826) 119(3.87,12.026) 120(3.62,3.826) 121(3.37,12.026) 122(3.12,3.826) 123(2.87,12.026) 124(2.62,3.826) 125(2.37,12.026) 126(2.12,3.826) 127(1.87,12.026) 128(1.62,3.826) 129(1.37,12.026) 130(1.12,3.826) 131(0.869,12.026) 132(0.619,3.826) 133(0.369,12.026) 134(0.119,3.826) 135(-0.131,12.026) 136(-0.38,3.826) 137(-0.63,12.026) 138(-0.88,3.826) 139(-1.131,12.026) 140(-1.381,3.826) 141(-1.631,12.026) 142(-1.881,3.826) 143(-2.13,12.026) 144(-2.38,3.826) 145(-4.63,12.026) 146(-4.88,3.826) 147(-5.13,12.026) 148(-5.38,3.826) 149(-5.63,12.026) 150(-5.88,3.826) 151(-6.13,12.026) 152(-6.38,3.826) 153(-6.63,12.026) 154(-6.88,3.826) 155(-7.13,12.026) 156(-7.38,3.826) 157(-7.63,12.026) 158(-7.88,3.826) 159(-8.131,12.026) 160(-8.381,3.826) 161(-8.631,12.026) 162(-8.881,3.826) 163(-9.131,12.026) 164(-9.381,3.826) 165(-9.631,12.026) 166(-9.881,3.826) 167(-10.131,12.026) 168(-10.381,3.826) 169(-10.631,12.026) 170(-10.881,3.826) 171(-11.131,12.026) 172(-11.381,3.826) 173(-11.631,12.026) 174(-11.881,3.826) 175(-12.131,12.026) 176(-12.381,3.826) 177(-12.631,12.026) 178(-12.881,3.826) 179(-13.131,12.026) 180(-13.381,3.826) 181(-13.631,12.026) 182(-13.881,3.826) 183(-14.131,12.026) 184(-14.381,3.826) 185(-14.631,12.026) 186(-14.881,3.826) 187(-15.131,12.026) 188(-15.381,3.826) 189(-15.631,12.026) 190(-15.881,3.826) 191(-16.13,12.026) 192(-16.38,3.826) 193(-16.63,12.026) 194(-16.88,3.826) 195(-17.13,12.026) 196(-17.38,3.826) 197(-17.63,12.026) 198(-17.88,3.826) 199(-18.13,12.026) 200(-18.38,3.826) 201(-18.63,12.026) 202(-18.88,3.826) 203(-19.13,12.026) 204(-19.38,3.826) 205(-19.63,12.026) 206(-19.88,3.826) 207(-20.13,12.026) 208(-20.38,3.826) 209(-20.63,12.026) 210(-20.88,3.826) 211(-21.13,12.026) 212(-21.38,3.826) 213(-21.63,12.026) 214(-21.88,3.826) 215(-22.13,12.026) 216(-22.38,3.826) 217(-22.63,12.026) 218(-22.88,3.826) 219(-23.13,12.026) 220(-23.38,3.826) 221(-23.63,12.026) 222(-23.88,3.826) 223(-24.13,12.026) 224(-24.38,3.826) 225(-24.63,12.026) 226(-24.88,3.826) 227(-25.13,12.026) 228(-25.38,3.826) 229(-25.63,12.026) 230(-25.88,3.826) 231(-26.13,12.026) 232(-26.38,3.826) 233(-26.63,12.026) 234(-26.88,3.826) 235(-27.13,12.026) 236(-27.38,3.826) 237(-27.63,12.026) 238(-27.88,3.826) 239(-28.13,12.026) 240(-28.38,3.826) 241(-28.63,12.026) 242(-28.88,3.826) 243(-29.13,12.026) 244(-29.38,3.826) 245(-29.63,12.026) 246(-29.88,3.826) 247(-30.13,12.026) 248(-30.38,3.826) 249(-30.63,12.026) 250(-30.88,3.826) 251(-31.13,12.026) 252(-31.38,3.826) 253(-31.63,12.026) 254(-31.88,3.826) 255(-32.131,12.026) 256(-32.381,3.826) 257(-32.631,12.026) 258(-32.881,3.826) 259(-33.131,12.026) 260(-33.381,3.826)
  rect 2x3.5 smd: 261(-37.756,-0.073) 262(37.744,-4.073)
